# Altium PCB PCBFireflyCaseV4.PcbDoc (part 1 of 2)
Units mil, origin at the board's own origin, x right, y up, seen from the top; angles counter-clockwise.
Board outline 2748 x 1806 mil, 2 copper layers (Top Layer, Bottom Layer); 147 components, 120 nets, 503 pads, 339 vias.
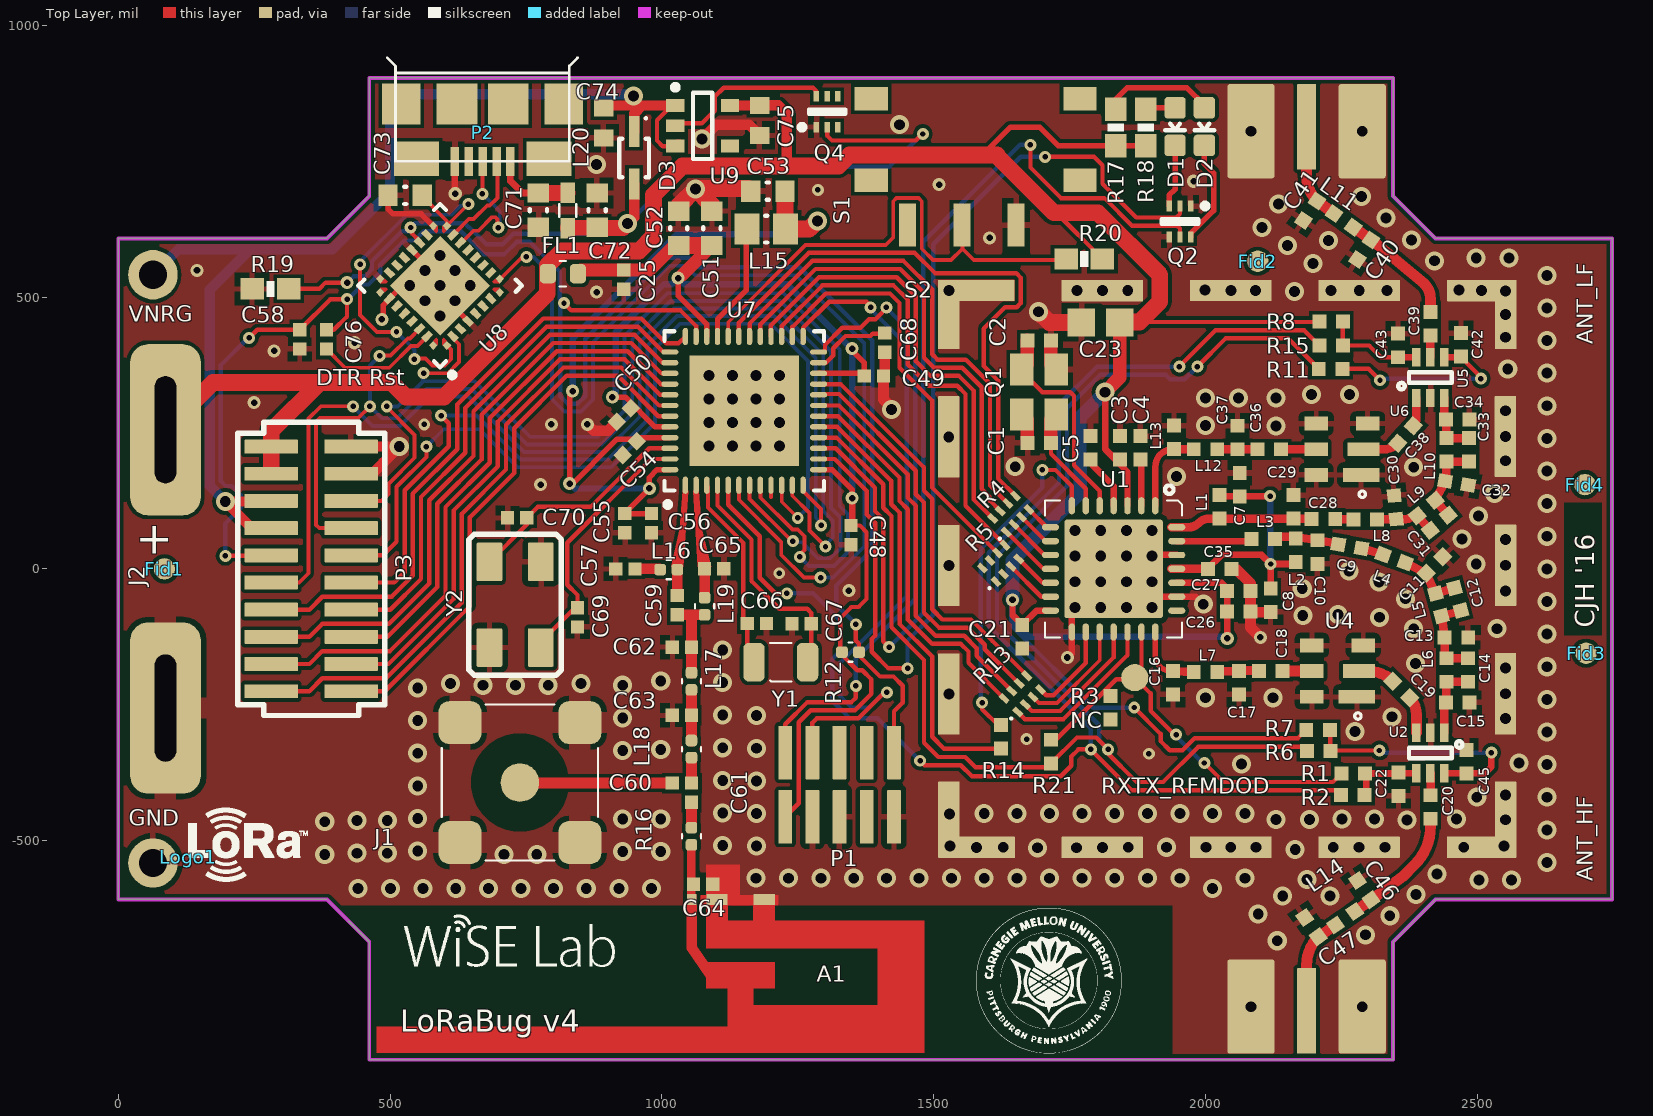
[diagram p0: Top Layer view]
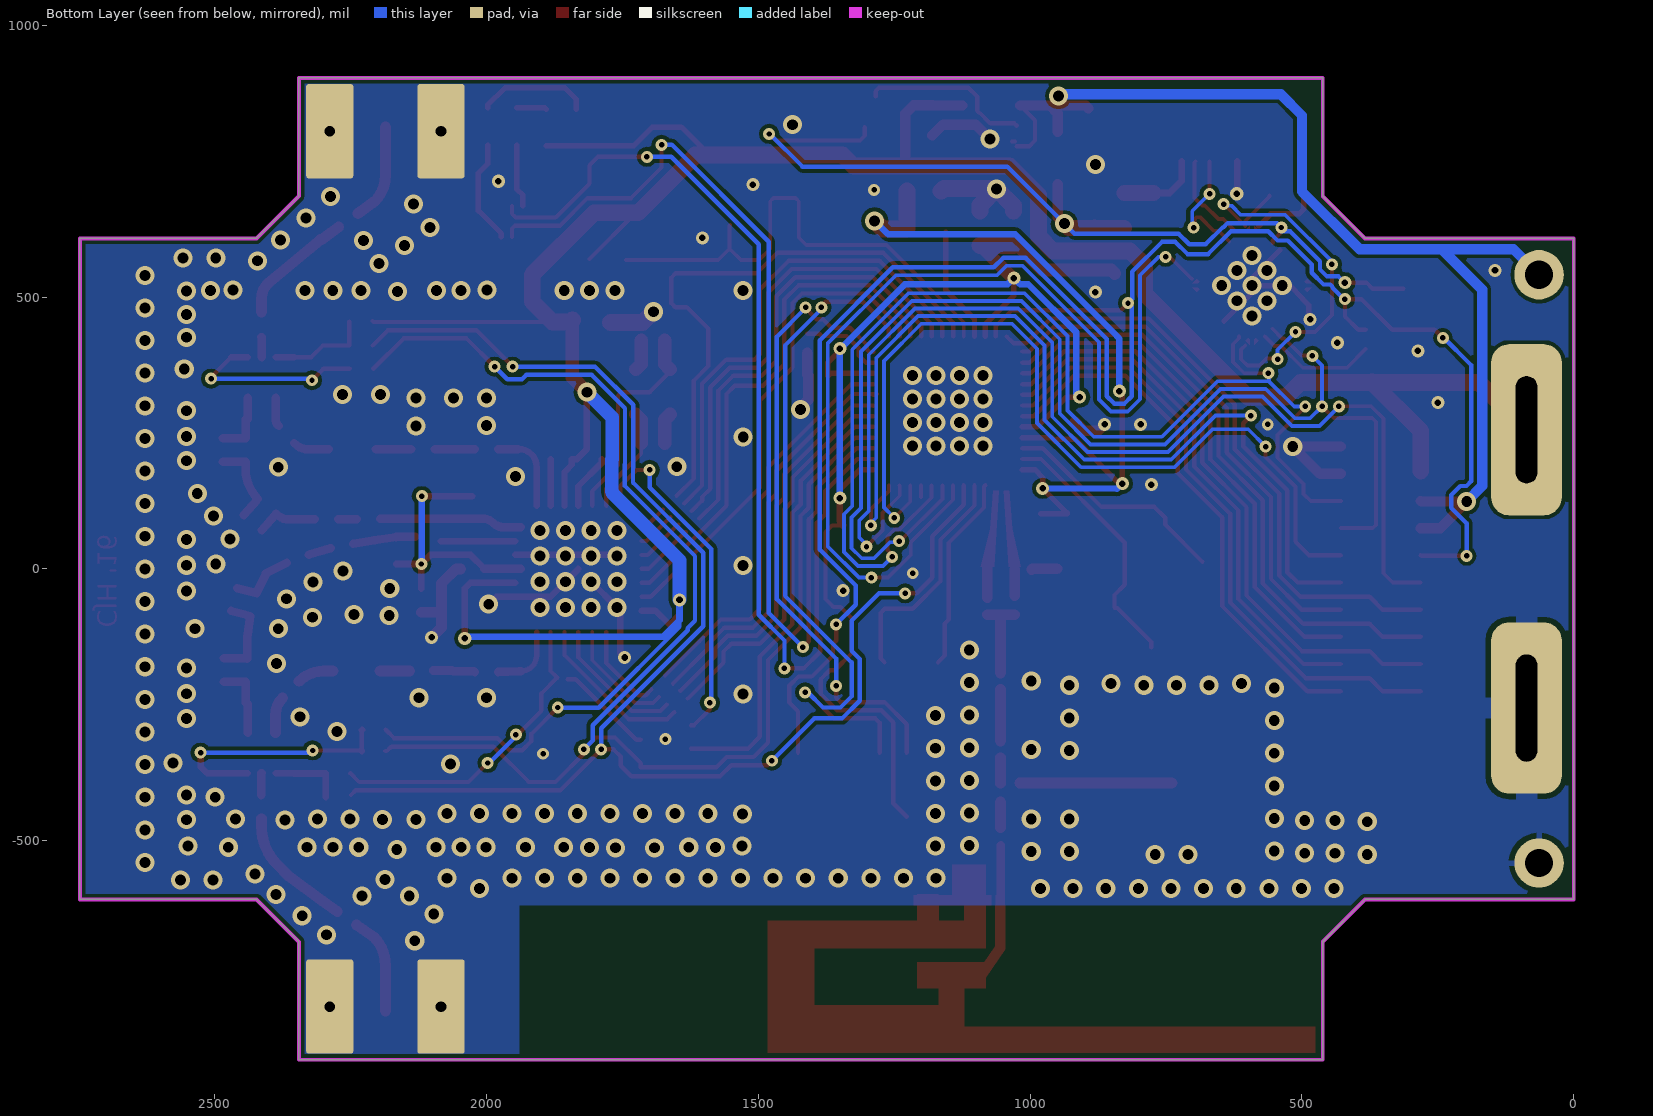
[diagram p1: Bottom Layer view, seen from below]

## Layer stack, top to bottom
Top Solder: solder mask 0.4, Solder Resist, Dk 3.5
Top Layer: signal copper 1.4
Dielectric 1: dielectric 12.6, FR-4, Dk 4.8
Bottom Layer: signal copper 1.4
Bottom Solder: solder mask 0.4, Solder Resist, Dk 3.5

## Board outline
0,0 0,608 384,608 462,686 462,903 2345,903 2345,686 2423,608 2748,608 2748,-608 2423,-608 2345,-686 2345,-903 462,-903 462,-686 384,-608 0,-608 0,0

## Design rules (kind name [scope] priority, off if disabled: settings)
Clearance "Stitching GND" [IsStitchingVia and InNet('GND') vs (IsVia and (Not IsStitchingVia)) Or IsPad] p1: gap=7 ignorepadtopadclearanceinfootprint=FALSE except(0: Arc-Hole Track-Hole SMDPad-Hole THPad-Hole Via-Hole Fill-Hole Poly-Hole Region-Hole Text-Hole)
Clearance [All] p2: gap=7 ignorepadtopadclearanceinfootprint=FALSE except(0: Arc-Hole Track-Hole SMDPad-Hole THPad-Hole Via-Hole Fill-Hole Poly-Hole Region-Hole Text-Hole)
DiffPairsRouting [All] p1: maxlimit=15 minlimit=7 mostfreqgap=7 toplayer_minwidth=7 toplayer_maxwidth=15 toplayer_prefwidth=7 bottomlayer_minwidth=7 bottomlayer_maxwidth=15 bottomlayer_prefwidth=7 maxuncoupledlength=500
HoleSize [All] p1: absolutevalues=TRUE maxlimit=100 minlimit=8 maxpercent=80.000 minpercent=20.000
MinimumAnnularRing [All] p1: minimumring=5
MinimumSolderMaskSliver "Ignore Small Passive Footprints" [HasFootprint('CAPC0402(1005)60_N') vs HasFootprint('CAPC0402(1005)60_N')] p1: minsoldermaskwidth=2
MinimumSolderMaskSliver "Ignore Pad Component Soldermask" [InComponent('U8') or InComponent('U1') or HasFootprint('QFN50P700X700X100_HS-49N') or HasFootprint('FC6946010R (high-density)') or HasFootprint('NC7SZ04_SC70') or HasFootprint('SC70-6') or HasFootprint('AP7365-SOT25 (high-density)') or HasFootprint('EXB28V') or HasFootprint('MICROUSB_TYPEB') vs InComponent('U8') or InComponent('U1') or HasFootprint('QFN50P700X700X100_HS-49N') or HasFootprint('FC6946010R (high-density)') or HasFootprint('NC7SZ04_SC70') or HasFootprint('SC70-6') or HasFootprint('AP7365-SOT25 (high-density)') or HasFootprint('EXB28V') or HasFootprint('MICROUSB_TYPEB')] p2: minsoldermaskwidth=0
MinimumSolderMaskSliver [All] p3: minsoldermaskwidth=6.5
PolygonConnect "Battery Terminals Spoke" [HasFootprint('Battery Terminal')] p1: connectstyle=Relief reliefconductorwidth=40 reliefentries=4 polygonreliefangle="90 Angle" airgapwidth=10
PolygonConnect "SMA Antenna Direct Connect" [HasFootprint('SMA END LAUNCH JACK RECEPTACLE SHORT')] p2: connectstyle=Direct reliefconductorwidth=20 reliefentries=4 polygonreliefangle="90 Angle" airgapwidth=10
PolygonConnect "Inverted F Antenna Direct GND" [HasFootprint('ANTENNA_DN007AN_NO_MASK')] p3: connectstyle=Direct reliefconductorwidth=20 reliefentries=4 polygonreliefangle="90 Angle" airgapwidth=10
PolygonConnect "Sufrace Mount SMA Antenna Direct Connect" [HasFootprint('HUSTSAN_SMA10V21TGGAN_POLYGONPOUR_CUTOUT')] p4: connectstyle=Relief reliefconductorwidth=40 reliefentries=4 polygonreliefangle="90 Angle" airgapwidth=10
PolygonConnect "Shield Direct Connect" [HasFootprint('RFI_SHIELD_26.21X26.21MM_PADDED')] p5: connectstyle=Direct reliefconductorwidth=20 reliefentries=4 polygonreliefangle="90 Angle" airgapwidth=10
PolygonConnect "GND Via Direct Connect" [InNet('GND') AND IsVia] p6: connectstyle=Direct reliefconductorwidth=10 reliefentries=4 polygonreliefangle="90 Angle" airgapwidth=10
PolygonConnect [All] p7: connectstyle=Relief reliefconductorwidth=10 reliefentries=4 polygonreliefangle="90 Angle" airgapwidth=10
RoomDefinition "Power Subsystem" [InComponentClass('Power Subsystem')] p1: confinementstyle=ConfineIn formatcopy=TRUE lockcomponents=FALSE outline 6.53,-598.47 6.53,598.47 859.38,598.47 859.38,879.21 994.07,879.21 994.07,905.71 1155.93,905.71 1155.93,893.39 1352.39,893.39 1352.39,788.61 1213.62,788.61 1213.62,765.79 1155.93,765.79 1155.93,739.06 991.48,739.06 991.48,664.31 991.48,477 354,477 165.96,477 165.96,-427.39 121.47,-427.39 121.47,-598.47
RoomDefinition Main [InComponentClass('Main')] p2: confinementstyle=ConfineIn formatcopy=TRUE lockcomponents=FALSE outline 55.32,-29.69 55.32,29.69 348.39,29.69 348.39,474.32 2066.32,474.32 2066.32,595.69 2125.68,595.69 2125.68,184.69 2727.68,184.69 2727.68,-125.31 2729.68,-125.31 2729.68,-184.69 2670.32,-184.69 2670.32,-29.69
RoomDefinition "TI CC 2650 MCU + Radio" [InComponentClass('TI CC 2650 MCU + Radio')] p3: confinementstyle=ConfineIn formatcopy=TRUE lockcomponents=FALSE outline 299.39,369.68 299.39,474.32 754.31,474.32 754.31,581.06 895.39,581.06 895.39,584.32 990.49,584.32 990.49,696.54 1124.96,696.54 1124.96,735.51 1265.04,735.51 1265.04,675.35 1271.88,675.35 1271.88,468.32 1444.61,468.32 1444.61,-274.73 1462,-274.73 1462,-587.63 1492.54,-587.63 1492.54,-899.87 465.46,-899.87 465.46,369.68
RoomDefinition Peripherals [InComponentClass('Peripherals')] p4: confinementstyle=ConfineIn formatcopy=TRUE lockcomponents=FALSE outline 205,-284.69 205,285 205,1151 1340.56,1151 1813.44,1151 1813.44,886 1928,886 1928,881.74 2031.68,881.74 2031.68,745.31 2019.1,745.31 2019.1,586.61 1851,586.61 1851,532 505,532 505,-284.69
RoomDefinition FTDIModule [InComponentClass('FTDIModule')] p5: confinementstyle=ConfineIn formatcopy=TRUE lockcomponents=FALSE outline 415.84,325.63 415.84,697.16 457.96,697.16 457.96,727.51 471.35,727.51 471.35,959.44 869.43,959.44 869.43,730.04 921.51,730.04 921.51,589.96 860.59,589.96 860.59,588.19 787.37,588.19 787.37,325.63
RoomDefinition "Semtech SX1276 Radio" [InComponentClass('Semtech SX1276 Radio')] p6: confinementstyle=ConfineIn formatcopy=TRUE lockcomponents=FALSE outline 118.89,-584.51 118.89,-429.49 1494.12,-429.49 1494.12,545.81 2028.36,545.81 2028.36,903.71 2343.64,903.71 2343.64,545.81 2585.75,545.81 2585.75,-545.88 2343.64,-545.88 2343.64,-903.71 2028.36,-903.71 2028.36,-584.51
RoutingVias [All] p1: holewidth=10 width=22 viastyle="Through Hole" minholewidth=10 minwidth=22 maxholewidth=40 maxwidth=266
ShortCircuit "Ignore FTDI Polygon Pads" [InComponent('U8') and IsPad vs InComponent('U8') and (IsPolygon or IsRegion)] p1: allowed=TRUE
ShortCircuit "Ignore Antenna Hookup" [InComponent('A1')] p2: allowed=TRUE
ShortCircuit [All] p3: allowed=FALSE
SilkToSilkClearance [All] p1: silktosilkclearance=7
SilkToSolderMaskClearance [IsPad] p1: minsilkscreentomaskgap=7 clearancetoexposedcopper=TRUE
SolderMaskExpansion [All] p1: expansion=4
Width [All] p1: maxlimit=787.4 minlimit=7 preferedwidth=8
24 further rules are at their usual default settings.

## Classes and differential pairs
component class "Power Subsystem": C74 C75 D3 GND J2 Q4 R19 U9 VNRG
net class MCU_DIO[0..30]: MCU_DIO0 MCU_DIO1 MCU_DIO2 MCU_DIO3 MCU_DIO4 MCU_DIO8 MCU_DIO9 MCU_DIO10 MCU_DIO11 MCU_DIO12 MCU_DIO13 MCU_DIO14 MCU_DIO15 MCU_DIO22
net class HDIO[0..2]: HDIO5 HDIO6 HDIO7
net class DIO[0..5]: DIO16 DIO17 DIO18 DIO19 DIO20 DIO21
net class ADIO[0..7]: ADIO23 ADIO24 ADIO25 ADIO26 ADIO27 ADIO28 ADIO29 ADIO30
component class "TI CC 2650 MCU + Radio": A1 C25 C48 C49 C50 C51 C52 C53 C54 C55 C56 C57 C58 C59 C60 C61 C62 C63 C64 C65 C66 C67 C68 C69 C70 FL1 J1 L15 L16 L17 L18 L19 P1 R12 R16 U7 Y1 Y2
component class "Semtech SX1276 Radio": ANT_HF ANT_LF C1 C2 C3 C4 C5 C7 C8 C9 C10 C11 C12 C13 C14 C15 C16 C17 C18 C19 C20 C21 C22 C23 C26 C27 C28 C29 C30 C31 C32 C33 C34 C35 C36 C37 C38 C39 C40 C41 C42 C43 C45 C46 C47 L1 L2 L3 L4 L5 L6 L7 L8 L9 L10 L11 L12 L13 L14 Logo1 Q1 R1 R2 R3 R4 R5 R6 R7 R8 R11 R13 R14 R15 R21 RXTX_RFMDOD S2 U1 U2 U4 U5 U6
component class Peripherals: ? D1 D2 P3 Q2 R17 R18 R20 S1
component class Main: 74 C76 Fid1 Fid2 Fid3 Fid4
component class FTDIModule: 20 C71 C72 C73 L20 P2 U8
differential pair XTA: +XTA_P -XTA_N
differential pair X24M: +X24M_P -X24M_N
differential pair RF: +RF_P -RF_N
differential pair USB_D: +USB_D_P -USB_D_N

## Components (designator, comment, footprint, x,y, rotation, side; value= is the part's Value field where it differs from the comment)
A1 "ANTENNA_DN007" ANTENNA_DN007AN_NO_MASK 979,-744 r0 top locked
ANT_HF "SMA" "SMA END LAUNCH JACK RECEPTACLE SHORT" 2186,-813 r0 top locked
ANT_LF "SMA" "SMA END LAUNCH JACK RECEPTACLE SHORT" 2186,813 r180 top locked
C1 "Cap" rlc_402_smd 1694.05,231.32 r0 top value=18pnF
C2 "Cap" rlc_402_smd 1693.94,420.23 r180 top value=18pF
C3 "Cap" rlc_402_smd 1843,223 r270 top value=100nF
C4 "Cap" rlc_402_smd 1880.63,223.05 r270 top value=100nF
C5 "Cap" rlc_402_smd 1788.34,223 r270 top value=100nF
C7 "Cap" rlc_402_smd 2063,155 r270 top value=100nF
C8 "Cap" rlc_402_smd 2120,-58 r90 top value=100nF
C9 "Cap" rlc_402_smd 2265.54,41.5 r170 top value=100nF
C10 "Cap" rlc_402_smd 2206,31 r90 top value=100nF
C11 "Cap" rlc_402_smd 2421,7 r225 top value=100nF
C12 "Cap" rlc_402_smd 2464,-56 r105 top value=100nF
C13 "Cap" rlc_402_smd 2461.61,-126.06 r180 top value=100nF
C14 "Cap" rlc_402_smd 2483,-186 r90 top value=100nF
C15 "Cap" rlc_402_smd 2464,-246 r180 top value=100nF
C16 "Cap" rlc_402_smd 1940,-209.65 r90 top value=100nF
C17 "Cap" rlc_402_smd 2062,-209.65 r90 top value=100nF
C18 "Cap" rlc_402_smd 2120,-188 r180 top value=100nF
C19 "Cap" rlc_402_smd 2360,-222 r135 top value=100nF
C20 "Cap" rlc_402_smd 2414,-438 r90 top value=100nF
C21 "Cap" rlc_402_smd 1662.99,-124.62 r90 top value=100nF
C22 "Cap" rlc_402_smd 2355,-396 r270 top value=1nF
C23 "Cap" rlc_805_smd 1807,453 r0 top value=10uF
C25 "CAPACITOR" CAPC0402(1005)60_N 930,532 r90 top value=DNM
C26 "Cap" rlc_402_smd 2061,-78 r180 top value=100pF
C27 "Cap" rlc_402_smd 2061,-41 r180 top value=100nF
C28 "Cap" rlc_402_smd 2217,92 r180 top value=100nF
C29 "Cap" rlc_402_smd 2162,114 r270 top value=100nF
C30 "Cap" rlc_402_smd 2349,113 r275 top value=100nF
C31 "Cap" rlc_402_smd 2430,85 r220 top value=100nF
C32 "Cap" rlc_402_smd 2462,158 r170 top value=100nF
C33 "Cap" rlc_402_smd 2485,219 r270 top value=100nF
C34 "Cap" rlc_402_smd 2464,275 r180 top value=NC
C35 "Cap" rlc_402_smd 2026,0 r180 top value=100nF
C36 "Cap" rlc_402_smd 2117,220 r180 top value=100nF
C37 "Cap" rlc_402_smd 2059,241.65 r270 top value=100nF
C38 "Cap" rlc_402_smd 2368,247 r228 top value=100nF
C39 "Cap" rlc_402_smd 2414,451 r270 top value=100nF
C40 "Cap" rlc_402_smd 2292,587 r55 top value=NC
C41 "Cap" rlc_402_smd 2192.85,658.7 r55 top value=NC
C42 "Cap" rlc_402_smd 2470,412 r90 top value=1nF
C43 "Cap" rlc_402_smd 2354,411 r270 top value=1nF
C45 "Cap" rlc_402_smd 2480,-355 r270 top value=1nF
C46 "Cap" rlc_402_smd 2292,-591 r305 top value=NC
C47 "Cap" rlc_402_smd 2195,-659 r305 top value=NC
C48 "CAPACITOR" CAPC0402(1005)60_N 1348,62 r90 top value=100nF
C49 "CAPACITOR" CAPC0402(1005)60_N 1390,355 r180 top value=100nF
C50 "CAPACITOR" CAPC0402(1005)60_N 930,283 r45 top value=100nF
C51 "CAPACITOR" CAPC0603(1608)100_N 1092,626.5 r270 top value=10uF
C52 "CAPACITOR" CAPC0603(1608)100_N 1031,626.5 r270 top value=100nF
C53 "CAPACITOR" CAPC0603(1608)100_N 1195,695 r0 top value=10uF
C54 "CAPACITOR" CAPC0402(1005)60_N 941,222 r45 top value=100nF
C55 "CAPACITOR" CAPC0402(1005)60_N 931.9,84.05 r90 top value=100nF
C56 "CAPACITOR" CAPC0402(1005)60_N 980.84,84.02 r90 top value=DNM
C57 "CAPACITOR" CAPC0402(1005)60_N 932.75,-0.01 r0 top value=6.8pF
C58 "CAPACITOR" CAPC0402(1005)60_N 334,422 r90 top value=100nF
C59 "CAPACITOR" CAPC0402(1005)60_N 1028.45,-66.73 r90 top value=1pF
C60 "CAPACITOR" CAPC0402(1005)60_N 1037,-394 r0 top value=DNM
C61 "CAPACITOR" CAPC0402(1005)60_N 1054.52,-411.75 r90 top value=12pF
C62 "CAPACITOR" CAPC0402(1005)60_N 1036.82,-143.9 r0 top value=DNM
C63 "CAPACITOR" CAPC0402(1005)60_N 1036.85,-269.28 r0 top value=1pF
C64 "CAPACITOR" CAPC0402(1005)60_N 1076,-580 r180 top value=DNM
C65 "CAPACITOR" CAPC0402(1005)60_N 1096.4,0.46 r180 top value=1pF
C66 "CAPACITOR" CAPC0402(1005)60_N 1174.82,-100.58 r180 top value=12pF
C67 "CAPACITOR" CAPC0402(1005)60_N 1257,-101 r0 top value=12pF
C68 "CAPACITOR" CAPC0402(1005)60_N 1410,416 r90 top value=1uF
C69 "CAPACITOR" CAPC0402(1005)60_N 845,-89 r90 top value=DNM
C70 "CAPACITOR" CAPC0402(1005)60_N 734,94 r0 top value=DNM
C71 "Cap Semi" CAPC0603(1608)100_N 773,660 r90 top value=100pF
C72 "Cap Semi" CAPC0603(1608)100_N 881,660 r270 top value=100pF
C73 "Cap Semi" CAPC0603(1608)100_N 528,687 r0 top value=100pF
C74 "Cap Semi" 1608[0603] 893,820 r90 top value=1uF
C75 "Cap Semi" 1608[0603] 1180,825 r90 top value=1uF
C76 "DTR Rst" CAPC0402(1005)60_N 383,422 r270 top value=100pF
D1 "Green LED" LED-0603 1944,813.53 r180 top
D2 "Red LED" LED-0603 1998,813.53 r180 top
D3 "Schottky Diode" "DB2J20900L (high-density)" 949,756 r270 top
Fid1 "Fiducial" Fiducial#1 85,0 r90 top locked
Fid2 "Fiducial" Fiducial#1 2096,566 r90 top locked
Fid3 "Fiducial" Fiducial#2 2700,-153 r90 top
Fid4 "Fiducial" Fiducial#1 2698,155 r90 top
FL1 "BLM18HE152SN1" FIL_BLM18HE152SN1DL 818,543 r180 top
GND "Test Pin" pin_1mm#1 64,-541 r90 top
J1 "DNM" HUSTSAN_SMA10V21TGGAN_POLYGONPOUR_CUTOUT 739,-393 r90 top locked
J2 "Battery Terminal" "Battery Terminal" 87,0 r0 top locked
L1 "Inductor" rlc_402_smd 2026,114 r270 top value=VAL?
L2 "Inductor" rlc_402_smd 2166,34 r270 top value=VAL?
L3 "Inductor" rlc_402_smd 2106,55 r180 top value=VAL?
L4 "Inductor" rlc_402_smd 2347,19 r340 top value=VAL?
L5 "Inductor" rlc_402_smd 2428.6,-65.92 r285 top value=VAL?
L6 "Inductor" rlc_402_smd 2443,-186 r270 top value=VAL?
L7 "Inductor" rlc_402_smd 2000,-189.65 r0 top value=VAL?
L8 "Inductor" rlc_402_smd 2294,91 r0 top value=VAL?
L9 "Inductor" rlc_402_smd 2406,112 r40 top value=VAL?
L10 "Inductor" rlc_402_smd 2443,219 r90 top value=0R
L11 "Inductor" rlc_402_smd 2254,641 r145 top value=0R
L12 "Inductor" rlc_402_smd 2000,220 r0 top value=VAL?
L13 "Inductor" rlc_402_smd 1942,242 r270 top value=VAL?
L14 "Inductor" rlc_402_smd 2256.91,-642.76 r215 top value=0R
L15 "INDUCTOR" CAPC0805(2012)75_N 1192,625 r0 top value=10uH
L16 "INDUCTOR" INDC1005X60L 1012.68,-1.33 r180 top value=2.4nH
L17 "INDUCTOR" INDC1005X60L 1054.55,-206.75 r270 top value=2nH
L18 "INDUCTOR" INDC1005X60L 1054.55,-331.49 r270 top value=2nH
L19 "INDUCTOR" INDC1005X60L 1078.69,-68.68 r270 top value=2.4nH
L20 "62 Ω" WE-CBA_0603_HC 826.96,659.21 r270 top
Logo1 "LoRa Logo" "Logo LoRa Size1" 129,-530 r0 top
P1 "Cortex Debug Header" "Header 1.27mm 2x5 SMT Low-Profile" 1327,-397 r0 top
P2 "Micro USB Type-B" MICROUSB_TYPEB 820,855 r180 top locked
P3 "Header 1.27mm 2x10" "HEADER 1.27MM 2X10 SMT LOW-PROFILE" 355,0 r270 top
Q1 "Xtal" "nd3225da - nd2520da" 1693.94,325.54 r90 top value=32.0MHz
Q2 "Dual N-Channel Mosfet" "FC6946010R (high-density)" 1953,639 r270 top
Q4 "Dual N-Channel Mosfet" "FC6946010R (high-density)" 1304,841 r90 top
R1 "Resistor" rlc_402_smd 2272,-376 r0 top value=NC
R2 "Resistor" rlc_402_smd 2271,-416 r180 top value=1k
R3 "Resistor" rlc_402_smd 1825,-255.35 r270 top value=100R
R4 "EXBN8VxxxJX" EXB28V 1642,101 r45 top value=100R
R5 "EXBN8VxxxJX" EXB28V 1623,10 r45 top value=100R
R6 "Resistor" rlc_402_smd 2208,-335 r180 top value=1k
R7 "Resistor" rlc_402_smd 2207,-296 r180 top value=NC
R8 "Resistor" rlc_402_smd 2231,455 r180 top value=NC
R11 "Resistor" rlc_402_smd 2230,368 r180 top value=1k
R12 "RESISTOR" RESC1005X40L 1347,-153 r180 top value=100k
R13 "EXBN8VxxxJX" EXB28V 1663,-230 r45 top value=100R
R14 "Resistor" rlc_402_smd 1624,-309 r270 top value=100R
R15 "Resistor" rlc_402_smd 2231,411 r180 top value=1k
R16 "RESISTOR" RESC1005X40L 1054.52,-491.75 r90 top value=0
R17 "RES-00818" 0603-RES 1835,812 r90 top value=75
R18 "RES-00818" 0603-RES 1890,812 r90 top value=75
R19 "RES-00818" 0603-RES 280,515 r0 top value=47k
R20 "RES-00824" 0603-RES 1777,570 r0 top value=2.7k
R21 "Resistor" rlc_402_smd 1716,-336 r270 top value=NC
RXTX_RFMDOD "Test Pin" pin_SMD 1870,-200 r90 top
S1 "Push Button" Push_Button 1577,790 r0 top locked
S2 "RFI Shield 26.21x26.21mm" RFI_SHIELD_26.21X26.21MM_PADDED 2040,0 r0 top locked
U1 "SX1276" VQFN28_6X6MM_BIG_VIAS 1831,0 r270 top locked
U2 "RF Switch" SC70-6 2413.67,-338.64 r270 top value=PE4259
U4 "SAW Filter" DCC6C_3.0x3.0mm 2243,-188 r180 top
U5 "RF Switch" SC70-6 2413.67,352 r90 top value=PE4259
U6 "SAW Filter" DCC6C_3.0x3.0mm 2251,220 r180 top
U7 "CC2650F128RGZT" QFN50P700X700X100_HS-49N 1151.58,290.71 r90 top locked
U8 "FT232RQ-Reel" PQFN5X5-32_V_FTDI_BIG_VIAS 592,521 r135 top
U9 "3.3V 600mA LDO" "AP7365-SOT25 (high-density)" 1075,815 r0 top
VNRG "" pin_1mm#2 31,737 r90 top
Y1 "CRYSTAL" XTAL_FC-135N 1218.82,-171.58 r0 top
Y2 "XTAL_4PIN_S" "Crystal 4-SMD 5.0x3.2mm" 730.12,-65.88 r90 top

## Footprints (in the part's own frame and the unit in brackets; to place one, negate y for a bottom-side part, rotate by r counter-clockwise, add the part's x,y. Pads: shape width x height; smd on the part's side, far side on the other; paste and mask are expansions set on the pad)
0603-RES [mm]
  rect 1.1x1 smd: 1(-0.85,0) 2(0.85,0)
  silkscreen extent -0.19,-0.38 0.19,0.38
1608[0603] [mm] "Chip Capacitor, Body 1.6x0.8mm, IPC High Density"
  rect 0.8x0.9 smd: 1(-0.7,0) 2(0.7,0)
  body extent -0.87,-0.48 0.87,0.48, height 1.3
ANTENNA_DN007AN_NO_MASK [mm] "ANTENNA_DN007AN"
  rect 0.46x0.5 smd paste-0.5 mask-0.5: 1(1.93,3.455)
  rect 1x0.5 smd paste-100 mask-1: 2(3.11,3.455)
  rect 1x0.5 smd paste-100 mask-100: 3(5.31,3.455)
  Top Layer region: 12.79,2.465 12.79,-3.705 -12.79,-3.705 -12.79,-2.495 3.61,-2.495 3.61,-0.695 2.61,-0.695 2.61,-0.193 1.7,1.127 1.7,3.205 2.16,3.205 2.16,1.27 2.681,0.515 5.81,0.515 5.81,-0.695 4.81,-0.695 4.81,-1.495 10.61,-1.495 10.61,1.175 2.61,1.175 2.61,3.205 3.61,3.205 3.61,2.465 4.81,2.465 4.81,3.205 5.81,3.205 5.81,2.465 12.79,2.465
"AP7365-SOT25 (high-density)" [mm] "AP7365-SOT25 LDO (high-density)"
  rect 0.85x0.6 smd: EN(-1.275,-0.95) GND(-1.275,0) NC(1.275,-0.95) VIN(-1.275,0.95) VOUT(1.275,0.95)
  silkscreen extent -1.4,-1.55 0.45,1.92, body extent -0.85,-1.55 0.85,1.55, height 1.4
"Battery Terminal" [mm] "Battery terminal for the firefly case"
  rrect50% 3.3x8 hole 1 slot 5 at 90 deg: neg(0,-6.5) pos(0,6.5)
CAPC0402(1005)60_N [mm] "Chip Capacitor, Body 1.0x0.5mm, Height 0.6mm, IPC Medium Density"
  rect 0.62x0.62 smd: 1(-0.45,0) 2(0.45,0)
  body extent -0.55,-0.3 0.55,0.3, height 0.6
CAPC0603(1608)100_N [mm] "Chip Capacitor, Body 1.6x0.8mm, Height 1.0mm, IPC Medium Density"
  rect 0.9x1 smd: 1(-0.8,0) 2(0.8,0)
  silkscreen extent -0.05,-0.4 0.05,0.4, body extent -0.87,-0.48 0.88,0.47, height 1
CAPC0805(2012)75_N [mm] "Chip Capacitor, Body 2.0x1.2mm, Height 0.75mm, IPC Medium Density"
  rect 1.15x1.45 smd: 1(-0.9,0) 2(0.9,0)
  silkscreen extent -0.05,-0.62 0.05,0.63, body extent -1.1,-0.72 1.1,0.73, height 0.75
"Crystal 4-SMD 5.0x3.2mm" [mm] "Crystal 4-SMD 5.0x3.2mm"
  rrect10% 1.8x1.2 smd: 1(-2,-1.2) 2(2,-1.2) 3(2,1.2) 4(-2,1.2)
  silkscreen extent -3.3,-2.16 3.3,2.16, body extent -2.5,-1.59 2.5,1.59, height 1.1
"DB2J20900L (high-density)" [mm] "Panasonic Schottkz Barrier Diode DB2J20900L"
  rect 1.45x0.5 smd: 1(-1.225,0) 2(1.225,0)
  silkscreen extent -1.9,-0.7 0.9,0.7, body extent -0.9,-0.67 0.9,0.67, height 0.7
DCC6C_3.0x3.0mm [mm] "DCC6C footprint, 3.0x3.0mm"
  rrect5% 1.7x0.65 smd mask+0.05: 1(-0.9,1.2)
  rrect5% 1.5x0.65 smd mask+0.05: 2(-1,0)
  rrect5% 1.1x0.65 smd mask+0.05: 3(-1.2,-1.2) 4(1.2,-1.2) 5(1.2,0) 6(1.2,1.2)
  silkscreen extent -1.1,1.95 -0.8,2.25, body extent -1.5,-1.5 1.5,1.5, height 1
EXB28V [mm] "Chip Resistor Array, (0402x4); SM; 8 Leads; Body 2.10 x 1.10 mm (LxW max)"
  rect 0.25x0.5 smd mask+0.05: 1(-0.75,-0.45) 2(-0.25,-0.45) 3(0.25,-0.45) 4(0.75,-0.45) 5(0.75,0.45) 6(0.25,0.45) 7(-0.25,0.45) 8(-0.75,0.45)
  silkscreen extent -1.23,-0.5 -1.13,-0.4
"FC6946010R (high-density)" [mm] "Panasonic Dual N-Channel Mosfet FC6946010R"
  rect 0.5x0.25 smd: D1(0.725,0.5) D2(-0.725,-0.5) G1(-0.725,0) G2(0.725,0) S1(-0.725,0.5) S2(0.725,-0.5)
  silkscreen extent -0.85,-0.85 0.1,1.3, body extent -0.63,-0.83 0.63,0.82, height 0.65
Fiducial#1 [mm] "Fiducial"
  round 1 smd paste-1 mask+0: ""(0,0)
Fiducial#2 [mm] "Fiducial"
  round 1 smd paste-1 mask+0: ""(-0.051,0)
FIL_BLM18HE152SN1DL [mm] "FIL_BLM18HE152SN1DL"
  rrect50% 0.752x0.9 smd: 1(-0.7,0) 2(0.7,0)
  silkscreen extent -0.15,-0.6 0.15,0.6
"Header 1.27mm 2x5 SMT Low-Profile" [mm] "Header 1.27mm 5x2 SMD"
  rrect10% 0.65x2.5 smd: 1(-2.54,-1.5) 2(-2.54,1.5) 3(-1.27,-1.5) 4(-1.27,1.5) 5(0,-1.5) 6(0,1.5) 7(1.27,-1.5) 8(1.27,1.5) 9(2.54,-1.5) 10(2.54,1.5)
  body extent -3.17,-2.75 3.18,2.75, height 4.48
"HEADER 1.27MM 2X10 SMT LOW-PROFILE" [mm] "Samtec FTS-110-01-F-DV 1.27mm surface mount header with 20 positions"
  rrect10% 0.65x2.5 smd mask+0.05: 1(-5.715,-1.867) 2(-5.715,1.867) 3(-4.445,-1.867) 4(-4.445,1.867) 5(-3.175,-1.867) 6(-3.175,1.867) 7(-1.905,-1.867) 8(-1.905,1.867) 9(-0.635,-1.867) 10(-0.635,1.867) 11(0.635,-1.867) 12(0.635,1.867) 13(1.905,-1.867) 14(1.905,1.867) 15(3.175,-1.867) 16(3.175,1.867) 17(4.445,-1.867) 18(4.445,1.867) 19(5.715,-1.867) 20(5.715,1.867)
  silkscreen extent -6.86,-3.43 6.85,3.43, body extent -6.35,-2.92 6.35,2.92, height 4.29
HUSTSAN_SMA10V21TGGAN_POLYGONPOUR_CUTOUT [mm] "HUSTSAN_SMA10V21TGGAN With A GND Plane Cutout"
  round 1.801 smd: 1(0,0)
  rrect48% 2x2 smd: 2(-2.8,-2.8) 3(2.8,-2.8) 4(2.8,2.8) 5(-2.8,2.8)
  Top Layer pour cut-out: 0,-2.3 -0.88,-2.125 -1.626,-1.626 -2.125,-0.88 -2.3,0 -2.3,0 -2.125,0.88 -1.626,1.626 -0.88,2.125 0,2.3 0,2.3 0.88,2.125 1.626,1.626 2.125,0.88 2.3,0 2.3,0 2.125,-0.88 1.626,-1.626 0.88,-2.125 0,-2.3
  silkscreen extent -3.65,-3.65 3.65,3.65
INDC1005X60L [mm] "INDC1005X60L"
  rrect50% 0.55x0.54 smd: 1(-0.4,0) 2(0.4,0)
  silkscreen extent -0.1,-0.45 0.1,0.45
LED-0603 [mm]
  rrect30% 1x1 smd: A(0,-0.877) C(0,0.877)
  silkscreen extent -0.46,-0.14 0.46,0.17
"Logo LoRa Size1" [mil] "Logo LoRa Size1 - Top Overlay"
  silkscreen extent 0,-44 220,90
MICROUSB_TYPEB [mm]
  rect 0.4x1.35 smd: Pin1(2.5,2.675) Pin2(3.15,2.675) Pin3(3.8,2.675) Pin4(4.45,2.675) Pin5(5.1,2.675)
  rect 1.8x1.9 smd: Shield1(0,0) Shield4(7.6,0)
  rect 1.9x1.9 smd: Shield2(2.6,0) Shield3(5,0)
  rect 2.1x1.6 smd: Shield5(0.7,2.55) Shield6(6.9,2.55)
  silkscreen extent -0.63,-2.16 8.25,2.68, body extent -0.18,-2.4 7.8,3.03, height 2.72
"nd3225da - nd2520da" [mm] "Crystal SMD 3.2x2.5mm compatible with 2.5x2.0mm"
  rect 1.5x1.1 smd mask+0.05: 1(-1.05,-0.8) 2(1.05,-0.8) 3(1.05,0.8) 4(-1.05,0.8)
  body extent -1.6,-1.25 1.6,1.25, height 1
pin_1mm#1 [mil] "Generic Pin 1.1mm; 1 Lead"
  round 91 hole 52 paste+0 mask+1.97: 1(0,0)
pin_1mm#2 [mil] "Generic Pin 1.1mm; 1 Lead"
  round 91 hole 52 paste+0 mask+1.97: 1(-196,-33)
pin_SMD [mil] "Generic Pin; 1 pin SMD"
  round 50 smd paste-39.37 mask+1.97: 1(0,0)
PQFN5X5-32_V_FTDI_BIG_VIAS [mm] "QFN, 32-Leads, Body 5x5mm, Pitch 0.5mm, Thermal Pad 3.3x3.3mm, FTDI Recommended"
  rect 0.3x0.3 smd paste-0.15 mask-0.15: 1(-2.2,1.75) 8(-2.2,-1.75) 9(-1.75,-2.2) 16(1.75,-2.2) 17(2.2,-1.75) 24(2.2,1.75) 25(1.75,2.2) 32(-1.75,2.2)
  rect 0.5x0.3 smd paste-0.15 mask+0.06: 2(-2.1,1.25) 3(-2.1,0.75) 4(-2.1,0.25) 5(-2.1,-0.25) 6(-2.1,-0.75) 7(-2.1,-1.25) 18(2.1,-1.25) 19(2.1,-0.75) 20(2.1,-0.25) 21(2.1,0.25) 22(2.1,0.75) 23(2.1,1.25)
  rect 0.3x0.5 smd paste-0.15 mask+0.06: 10(-1.25,-2.1) 11(-0.75,-2.1) 12(-0.25,-2.1) 13(0.25,-2.1) 14(0.75,-2.1) 15(1.25,-2.1) 26(1.25,2.1) 27(0.75,2.1) 28(0.25,2.1) 29(-0.25,2.1) 30(-0.75,2.1) 31(-1.25,2.1)
  rect 3.3x3.3 smd paste-1.65 mask+0.06: 33(0,0)
  Top Layer region: 1.6,-1.85 1.6,-2.05 1.9,-2.05 1.7,-1.85
  Top Layer region: -1.6,2.05 -1.6,1.85 -1.7,1.85 -1.9,2.05
  Top Layer region: 1.6,2.05 1.6,1.85 1.7,1.85 1.9,2.05
  Top Layer region: -1.6,-2.05 -1.6,-1.85 -1.7,-1.85 -1.9,-2.05
  Top Layer region: -2.05,1.6 -1.85,1.6 -1.85,1.7 -2.05,1.9
  Top Layer region: 2.05,1.6 1.85,1.6 1.85,1.7 2.05,1.9
  Top Layer region: 2.05,-1.6 1.85,-1.6 1.85,-1.7 2.05,-1.9
  Top Layer region: -2.05,-1.6 -1.85,-1.6 -1.85,-1.7 -2.05,-1.9
  silkscreen extent -3.47,-2.7 2.7,2.7, body extent -2.55,-2.55 2.55,2.55, height 1
Push_Button [mm] "CFPA-1FB4"
  rect 1.55x1.1 smd: 1(-4.875,-1.905) 2(4.875,-1.905) 3(4.875,1.905) 4(-4.875,1.905)
  rect 0.8x2 smd: COM(-0.64,-4) NC(-3.18,-4) NO(1.9,-4)
  body extent -5.54,-4.45 5.46,8.92, height 5.52
QFN50P700X700X100_HS-49N [mm] "QFN, 48-Leads, Body 7.00x7.00mm, Pitch 0.50mm, Thermal Pad 5.15x5.10mm, IPC Medium Density"
  oval 0.8x0.25 smd: 1(-3.475,2.75) 2(-3.475,2.25) 3(-3.475,1.75) 4(-3.475,1.25) 5(-3.475,0.75) 6(-3.475,0.25) 7(-3.475,-0.25) 8(-3.475,-0.75) 9(-3.475,-1.25) 10(-3.475,-1.75) 11(-3.475,-2.25) 12(-3.475,-2.75) 25(3.475,-2.75) 26(3.475,-2.25) 27(3.475,-1.75) 28(3.475,-1.25) 29(3.475,-0.75) 30(3.475,-0.25) 31(3.475,0.25) 32(3.475,0.75) 33(3.475,1.25) 34(3.475,1.75) 35(3.475,2.25) 36(3.475,2.75)
  oval 0.25x0.8 smd: 13(-2.75,-3.475) 14(-2.25,-3.475) 15(-1.75,-3.475) 16(-1.25,-3.475) 17(-0.75,-3.475) 18(-0.25,-3.475) 19(0.25,-3.475) 20(0.75,-3.475) 21(1.25,-3.475) 22(1.75,-3.475) 23(2.25,-3.475) 24(2.75,-3.475) 37(2.75,3.475) 38(2.25,3.475) 39(1.75,3.475) 40(1.25,3.475) 41(0.75,3.475) 42(0.25,3.475) 43(-0.25,3.475) 44(-0.75,3.475) 45(-1.25,3.475) 46(-1.75,3.475) 47(-2.25,3.475) 48(-2.75,3.475)
  rect 5.15x5.1 smd paste-5.15: 49(0,0)
  silkscreen extent -4.5,-3.73 3.73,3.72, body extent -3.58,-3.58 3.58,3.58, height 1
RESC1005X40L [mm] "RESC1005X40L"
  rrect50% 0.55x0.54 smd: 1(-0.4,0) 2(0.4,0)
  silkscreen extent -0.1,-0.45 0.1,0.45
RFI_SHIELD_26.21X26.21MM_PADDED [mm]
  rrect5% 1x3.8 smd: SHIELD(-13.01,6.171) SHIELD(-13.007,-5.845) SHIELD(-13.005,0.157) SHIELD(12.998,6.184) SHIELD(13.001,-5.831) SHIELD(13.003,0.17)
  rrect5% 1x3.24 smd: SHIELD(-13.008,11.885) SHIELD(13.004,11.885)
  rrect5% 1x3.57 smd: SHIELD(-13.003,-11.721) SHIELD(13.007,-11.719)
  rrect5% 3.57x1 smd: SHIELD(-11.717,13.008) SHIELD(-11.709,-13.01)
  rrect5% 3.8x1 smd: SHIELD(-5.836,-13.009) SHIELD(-5.834,13.001) SHIELD(0.166,-13.004) SHIELD(0.168,13.007) SHIELD(6.164,-13.004) SHIELD(6.166,13.007)
  rrect5% 3.24x1 smd: SHIELD(11.883,13.005) SHIELD(11.884,-13.007)
rlc_402_smd [mm] "Chip SMD component 402; Body 1.0 x 0.5 mm (LxW typ)"
  rect 0.65x0.65 smd mask+0.05: 1(-0.55,0) 2(0.55,0)
rlc_805_smd [mm] "Chip SMD component 805; Body 2.0 x 1.25 mm (LxW typ)"
  rect 1.3x1.3 smd mask+0.05: 1(-0.9,0) 2(0.9,0)
SC70-6 [mm] "SC70 6-Leads, Body 2.0x1.25mm, Pitch 0.65mm"
  rect 0.85x0.4 smd mask+0.05: 1(-0.95,0.65) 2(-0.95,0) 3(-0.95,-0.65) 4(0.95,-0.65) 5(0.95,0) 6(0.95,0.65)
  silkscreen extent -0.55,-1 0.25,1.5, body extent -0.63,-1 0.62,1, height 1.45
"SMA END LAUNCH JACK RECEPTACLE SHORT" [mm] "SMA Connector - End Launch Jack Receptacle - Short"
  rrect10% 0.9x4 smd paste+0 mask+0.05: 1(0,0)
  rrect10% 2.2x4.4 hole 0.5 mask+0.05: 2(-2.6,0.2) 2(2.6,0.2)
VQFN28_6X6MM_BIG_VIAS [mm] "28 Leads, Body 6.0x6.0mm, Pitch 0.65mm, VQFN28"
  oval 0.8x0.3 smd mask+0.05: 1(-2.95,1.95) 2(-2.95,1.3) 3(-2.95,0.65) 4(-2.95,0) 5(-2.95,-0.65) 6(-2.95,-1.3) 7(-2.95,-1.95) 15(2.95,-1.95) 16(2.95,-1.3) 17(2.95,-0.65) 18(2.95,0) 19(2.95,0.65) 20(2.95,1.3) 21(2.95,1.95)
  oval 0.3x0.8 smd mask+0.05: 8(-1.95,-2.95) 9(-1.3,-2.95) 10(-0.65,-2.95) 11(0,-2.95) 12(0.65,-2.95) 13(1.3,-2.95) 14(1.95,-2.95) 22(1.95,2.95) 23(1.3,2.95) 24(0.65,2.95) 25(0,2.95) 26(-0.65,2.95) 27(-1.3,2.95) 28(-1.95,2.95)
  rrect5% 4.6x4.6 smd paste-3.3 mask+0.05: 29(0,0)
  Mechanical 15 keep-out lines w0.1: 3.5,-3.5 -3.5,-3.5 -3.5,3.5 3.5,3.5 3.5,-3.5
  silkscreen extent -3.9,-3.2 3.2,3.2, body extent -3,-3 3,3, height 1
WE-CBA_0603_HC [mm] "High Current type"
  rect 0.95x0.7 smd: 1(-0.825,0) 2(0.825,0)
  silkscreen extent -0.29,-0.4 0.29,0.4, body extent -0.8,-0.4 0.8,0.4, height 0.81
XTAL_FC-135N [mm] "XTAL_FC-135N"
  rrect50% 1x1.8 smd: 1(-1.25,0) 2(1.25,0)
  silkscreen extent -0.5,-0.9 0.5,0.9

## Part data
ANT_HF ANT_LF: "SMA Straight Connector", LatestRevisionDate="05-oct-2007  -  Semtech", LatestRevisionNote="Re-released for DXP Platform.", Publisher="Altium Limited"
C1 C2 C3 C4 C5 C7 C8 C9 C10 C11 C12 C13 C14 C15 C16 C17 C18 C19 C20 C21 C22 C23 C26 C27 C28 C29 C30 C31 C32 C33 C34 C35 C36 C37 C38 C39 C40 C41 C42 C43 C45 C46 C47: "Capacitor SMD", LatestRevisionDate="05-oct-2007  -  Semtech", LatestRevisionNote="Re-released for DXP Platform.", Published=8-Jun-2000, Publisher="Altium Limited"
C25 C48 C49 C50 C51 C52 C53 C54 C55 C56 C57 C58 C59 C60 C61 C62 C63 C64 C65 C66 C67 C68 C69 C70: Current=CIMAX, MAX_TEMP=CTMAX, PSpiceTemplate="C^@REFDES %1 %2 ?TOLERANCE|C^@REFDES| @VALUE ?IC/IC=@IC/ TC=@TC1,@TC2 ?TOLERANCE|\n.model C^@REFDES CAP C=1 DEV=@TOLERANCE%|", VOLTAGE=CMAX, DIST=FLAT, KNEE=CBMAX, SLOPE=CSMAX, TC1=0, TC2=0
C71 C72 C73 C74 C75: "Capacitor (Semiconductor SIM Model)", LatestRevisionDate=29-May-2009, LatestRevisionNote="IPC-7351 Footprint Added.", PackageDescription="Chip Capacitor", PackageReference=C1206, Published=8-Jun-2000, Publisher="Altium Limited"
C76: library part CAPACITOR
D1: library part LED-GREEN0603, PROD_ID=DIO-00821
D2: library part LED-RED0603, PROD_ID=DIO-00819
D3: library part DB2J20900L, "Schottky Diode BAS 52-02V H6327"
Fid1 Fid2 Fid3 Fid4: "Fiducial mark from Patrick's library"
FL1: library part FILTER_2PIN
GND RXTX_RFMDOD: library part test_pin, LatestRevisionDate="05-oct-2007  -  Semtech"
J1: library part CONN_COAX_1+4
L1 L2 L3 L4 L5 L6 L7 L8 L9 L10 L11 L12 L13 L14: "Inductor SMD", Code_IEC=1005, Code_JEITA=0402, LatestRevisionDate="05-oct-2007  -  Semtech", LatestRevisionNote="Re-released for DXP Platform.", Published=8-Jun-2000, Publisher="Altium Limited"
L15 L16 L17 L18 L19: Current=LMAX, DIELECTRIC=DSMAX, PSpiceTemplate="L^@REFDES %1 %2 ?TOLERANCE|L^@REFDES| @VALUE ?IC/IC=@IC/ ?TOLERANCE|\n.model l^@REFDES IND L=1 DEV=@TOLERANCE%|", DIST=FLAT
L20: library part "WE-CBA 0603,  782633620", "WE-CBA SMD EMI Suppression Ferrite Bead, Impedance = 62 O, High Current", Manufacturer="Wurth Elektronik", partNo=782633620, Supplier Part Number 1=732-6702-1-ND, ComponentLink1Description=Manufacturer, ComponentLink1URL=http://www.we-online.de, ComponentLink2Description=Datasheet, ComponentLink2URL=http://katalog.we-online.de/pbs/datasheet/782633620.pdf, Created by="Baojun Chen", Created Date=Nov.2015, Impedance="62 O", Supplier 1=Digi-Key
Logo1: library part Logo, "Schematic symbol for Logo"
P1: library part "Header 1.27mm 5X2 SMT Low-Profile", "Header 1.27mm 5X2 SMT Low-Profile", Supplier Part Number 1=609-3695-1-ND, LatestRevisionDate=17-Jul-2002, LatestRevisionNote="Re-released for DXP Platform.", Publisher="Altium Limited", Supplier 1=Digi-Key, Supplier 2=Newark, Supplier 3=Allied, Supplier 4=Mouser, Supplier 5=Arrow, Supplier Part Number 2=58R3188, Supplier Part Number 3=70247660, Supplier Part Number 4=649-202112100010C4LF, Supplier Part Number 5=XRQSqUttyxup-fqyNuPGZKBQalM97QjttTt_8zN-BzU
P2: library part "MicroUSB TypeB", "Micro USB Type B Port", Supplier Part Number 1=609-4613-1-ND, Datasheet=http://portal.fciconnect.com/Comergent//fci/drawing/10118192.pdf, Supplier=http://www.digikey.com/product-detail/en/amphenol-fci/10118192-0001LF/609-4613-2-ND/2785387, Supplier 1=Digi-Key
P3: library part "Header 1.27mm 2x10 SMT Low-Profile", "Header 1.27mm 2x10 SMT Low-Profile", Supplier Part Number 1=952-1392-ND, Part="Samtec FTS-110-01-F-DV", Supplier 1=Digi-Key, Supplier 2=Digi-Key, Supplier 3=Arrow, Supplier Part Number 2=SAM1156-10-ND, Supplier Part Number 3=mMp2K35HmoOBAvP8h0vzxquLIfNLS04cnHgimgmyAQw
Q1: library part "Xtal GND", "Crystal with GND pins", LatestRevisionDate="05-oct-2007  -  Semtech"
Q2 Q4: library part FC6946010R, "Panasonic Dual N-Channel Moseft FC6946010R", Supplier Part Number 1=63W2173, Supplier 1=Newark, Supplier 2=Digi-Key, Supplier Part Number 2=FC6946010RCT-ND
R1 R2 R3 R6 R7 R8 R11 R14 R15 R21: "Resistor SMD - IEC symbol version", LatestRevisionDate="27-Jul-20  -  Semtech"
R4 R5 R13: "Mini-Flat Package, Isolated Resistor Network, 0.031 W/resistor", Supplier Part Number 1=Y10101TR-ND, Supplier 1=Digi-Key
R12 R16: MAX_TEMP=RTMAX, POWER=RMAX, PSpiceTemplate="R^@REFDES %1 %2 ?TOLERANCE|R^@REFDES| @VALUE TC=@TC1,@TC2 ?TOLERANCE|\n.model R^@REFDES RES R=1 DEV=@TOLERANCE%|", VOLTAGE=RVMAX, DIST=FLAT, TC1=0, TC2=0
R17 R18 R19: library part 330OHM1/10W1%(0603), PROD_ID=RES-00818
R20: library part 10KOHM-1/10W-1%(0603)0603, PROD_ID=RES-00824
S1: library part CFPA, "CFPA", Supplier Part Number 1=563-1246-2-ND, Supplier 1=Digi-Key
S2: library part RFI_SHIELD_26.21x26.21mm, Supplier Part Number 1=903-1008-1-ND, Supplier 1=Digi-Key
U1: "SX1276 - Low Power Integrated UHF Transceiver with loRa Modem", Supplier Part Number 1=SX1276IMLTRTCT-ND, LatestRevisionDate="27-Jul-2009 -  Semtech", Supplier 1=Digi-Key
U2 U5: library part "PE4259 RF Switch", "PE4259 Peregrine RF Switch", LatestRevisionDate="03-Sep-2012 -  Semtech"
U4 U6: "SAW Filter - Bandpass - TEMEX type", LatestRevisionDate="05-oct-2007  -  Semtech"
U7: Supplier Part Number 1=595-CC2650F128RGZR, Design_Date=2013-02-14, Designed_By="Artur Bielinski", PartNumber=CC2650F128RGZT, SPLIT_INST=TRUE, Supplier 1=Mouser, Supplier 2=Newark, Supplier 3=Arrow, Supplier 4=Digi-Key, Supplier Part Number 2=51Y5273, Supplier Part Number 3=tP0-S_ikkGau3GntdWAPvj-z4JJMLRcy006RExL3IaQ, Supplier Part Number 4=296-39656-1-ND, SWAP_INFO=(S1+S2)
U8: "USB UART Asynchronous Serial Data Transfer Chip, 32-pin QFN, Tape and Reel", Manufacturer=FTDI, ComponentLink1Description="Manufacturer URL", ComponentLink1URL=http://www.ftdichip.com/, ComponentLink2Description=Datasheet, ComponentLink2URL=http://www.ftdichip.com/Support/Documents/DataSheets/ICs/DS_FT232R.pdf, DatasheetVersion="ver 2.10, Mar-2012", PackageDescription="32-Pin Quad Flat No-Lead 0.5 mm Pitch, Pullback, 3.2 x 3.2 mm Exposed Pad", PackageReference=PQFN5X5-32, PackageVersion=Mar-12, PartNumber=FT232RQ-Reel
U9: library part AP7365-33WG-7, "AP7365-33WG-7 3.9V 600mA LDO", Supplier Part Number 1=AP7365-33WG-7DICT-ND, Supplier 1=Digi-Key, Supplier 2=Arrow, Supplier Part Number 2=8jDkOUuQMN4bQRMK7daIL_aN6lyR31ZrRHAvlbe4_1s
VNRG: library part test_pin, "Voltage Non-Regulated", LatestRevisionDate="05-oct-2007  -  Semtech"
Y1: Frequency=32.768kHz
A1: Design date=2011-09-19, Designed by="Artur Bielinski"

## Via types
v1: diameter 35, hole 20, Top Layer to Bottom Layer, tented both sides, 171 vias
v2: diameter 35, hole 20, Top Layer to Bottom Layer, 76 vias
v3: diameter 22, hole 10, Top Layer to Bottom Layer, tented both sides, 57 vias
v4: diameter 24, hole 12, Top Layer to Bottom Layer, tented both sides, 26 vias
v5: diameter 35, hole 20, Top Layer to Bottom Layer, tented top, 9 vias

## Nets (pads, with @x,y where several pads share a name; then routed paths per layer and width w, separated by ;. In a path a pad name is that pad's centre, name@x,y a point inside that pad or via, vN(x,y) a via of type N, cw(c..) or ccw(c..) an arc to the next point about the centre after c; other vN are vias at no path point)
A1_IN: A1.1 C64.2 R16.1 | length 109.8
  Top Layer w15.75: 1054.42,-617.82 R16.1@1054.42,-508.06
ADIO23: P3.13 U7.36 | length 1144.1
  Top Layer w8: P3.13@281.48,-75 351.71,-75 375.5,-51.2 503.01,-51.2 542,-12.21 542,138.49 623.5,219.99 623.5,302.25 763.47,442.22 781.75,460.5 962.33,460.5 1007.83,415 1030.79,415 U7.36@1043.31,427.52
ADIO24: P3.14 U7.37 | length 957.2
  Top Layer w8: P3.14@428.52,-75 500.43,-75 557,-18.43 557,132.28 638.5,213.78 638.5,296.04 787.96,445.5 956.11,445.5 1001.61,400 U7.37@1014.77,400
ADIO25: P3.15 U7.38 | length 1122.4
  Top Layer w8: P3.15@281.48,-125 351.71,-125 375.5,-101.2 497.8,-101.2 572,-27 572,126.07 653.5,207.57 653.5,289.82 794.18,430.5 949.9,430.5 1001.11,379.29 U7.38@1014.77,379.29
ADIO26: P3.16 U7.39 | length 971.1
  Top Layer w8: P3.16@428.52,-125 495.21,-125 587,-33.21 587,119.85 668.5,201.35 668.5,283.61 800.39,415.5 943.69,415.5 999.58,359.61 U7.39@1014.77,359.6
ADIO27: P3.17 U7.40 | length 1140.3
  Top Layer w8: P3.17@281.48,-175 351.71,-175 375.5,-151.2 499.86,-151.2 602,-49.07 602,113.64 683.5,195.14 683.5,277.4 806.6,400.5 937.47,400.5 998.05,339.92 U7.40@1014.77,339.92
ADIO28: P3.18 U7.41 | length 988.9
  Top Layer w8: P3.18@428.52,-175 497.28,-175 617,-55.28 617,107.43 698.5,188.93 698.5,271.18 812.82,385.5 931.26,385.5 996.52,320.24 U7.41@1014.77,320.23
ADIO29: P3.19 U7.42 | length 1152.7
  Top Layer w8: P3.19@281.48,-225 351.71,-225 375.5,-201.2 492.8,-201.2 632,-62 632,101.21 713.5,182.71 713.5,264.97 819.03,370.5 925.05,370.5 995,300.55 U7.42@1014.77,300.55
ADIO30: P3.20 U7.43 | length 1001.4
  Top Layer w8: P3.20@428.52,-225 490.21,-225 647,-68.21 647,95 728.5,176.5 728.5,258.76 825.24,355.5 918.83,355.5 993.47,280.86 U7.43@1014.77,280.86
DCDC_SW: L15.1 U7.33 | length 213.5
  Top Layer w10: U7.33@1102.37,427.52 1102.37,459.63 1155.57,512.84 L15.1@1155.57,619
DIO0_SX: R4.4 U1.8 | length 52.9
  Top Layer w8: R4.4@1675.41,109.35 1707.99,76.77 U1.8@1714.86,76.77
DIO1_SX: R4.3 U1.9 | length 71.7
  Top Layer w8: R4.3@1661.49,95.43 1705.74,51.18 U1.9@1714.86,51.18
DIO2_SX: R4.2 U1.10 | length 90.5
  Top Layer w8: R4.2@1647.57,81.51 1703.49,25.59 U1.10@1714.86,25.59
DIO3_SX: R4.1 U1.11 | length 109.2
  Top Layer w8: R4.1@1633.65,67.59 1634.68,67.59 1702.27,0 U1.11@1714.86,0
DIO4_SX: R5.4 U1.12 | length 76.7
  Top Layer w8: R5.4@1656.41,18.35 1700.35,-25.59 U1.12@1714.86,-25.59
DIO5_SX: R5.3 U1.13 | length 95.4
  Top Layer w8: R5.3@1642.49,4.43 1698.1,-51.18 U1.13@1714.86,-51.18
DIO16: R5.6 U7.26 | length 781.5
  Top Layer w8: U7.26@1240.16,427.52 1240.16,445.13 1301.54,506.5 1419.8,506.5 1437.21,489.1 1437.21,369.79 1497.12,309.88 1497.12,149.8 R5.6@1617.43,29.49
DIO17: R5.5 U7.27 | length 849.3
  Top Layer w8: U7.27@1220.48,427.52 1220.48,446.65 1295.32,521.5 1426.02,521.5 1452.21,495.31 1452.21,376.01 1491.19,337.02 1543.2,337.02 1558.5,321.72 1558.5,116.26 R5.5@1631.35,43.41
DIO18: R4.8 U7.28 | length 835.9
  Top Layer w8: U7.28@1200.53,427.78 1200.53,447.92 1289.11,536.5 1432.23,536.5 1467.21,501.52 1467.21,382.22 1494.43,355 1546.43,355 1573.5,327.93 1573.5,127.74 R4.8@1608.59,92.65
DIO19: R4.7 U7.29 | length 873.6
  Top Layer w8: U7.29@1181.11,427.52 1180.84,427.78 1180.84,449.45 1282.9,551.5 1438.44,551.5 1482.21,507.74 1482.21,388.43 1500.64,370 1552.65,370 1588.5,334.15 1588.5,147.21 1603.49,132.22 1603.49,125.59 R4.7@1622.51,106.57